# Altium PCB PCB1.PcbDoc
Units mil, origin at the board's own origin, x right, y up, seen from the top; angles counter-clockwise.
Board outline 3370 x 2125 mil, 2 copper layers (Top Layer, Bottom Layer), stack 61.756 mil thick; 90 components, 57 nets, 306 pads, 92 vias.
Unrouted connection lines stored in the file: 52.
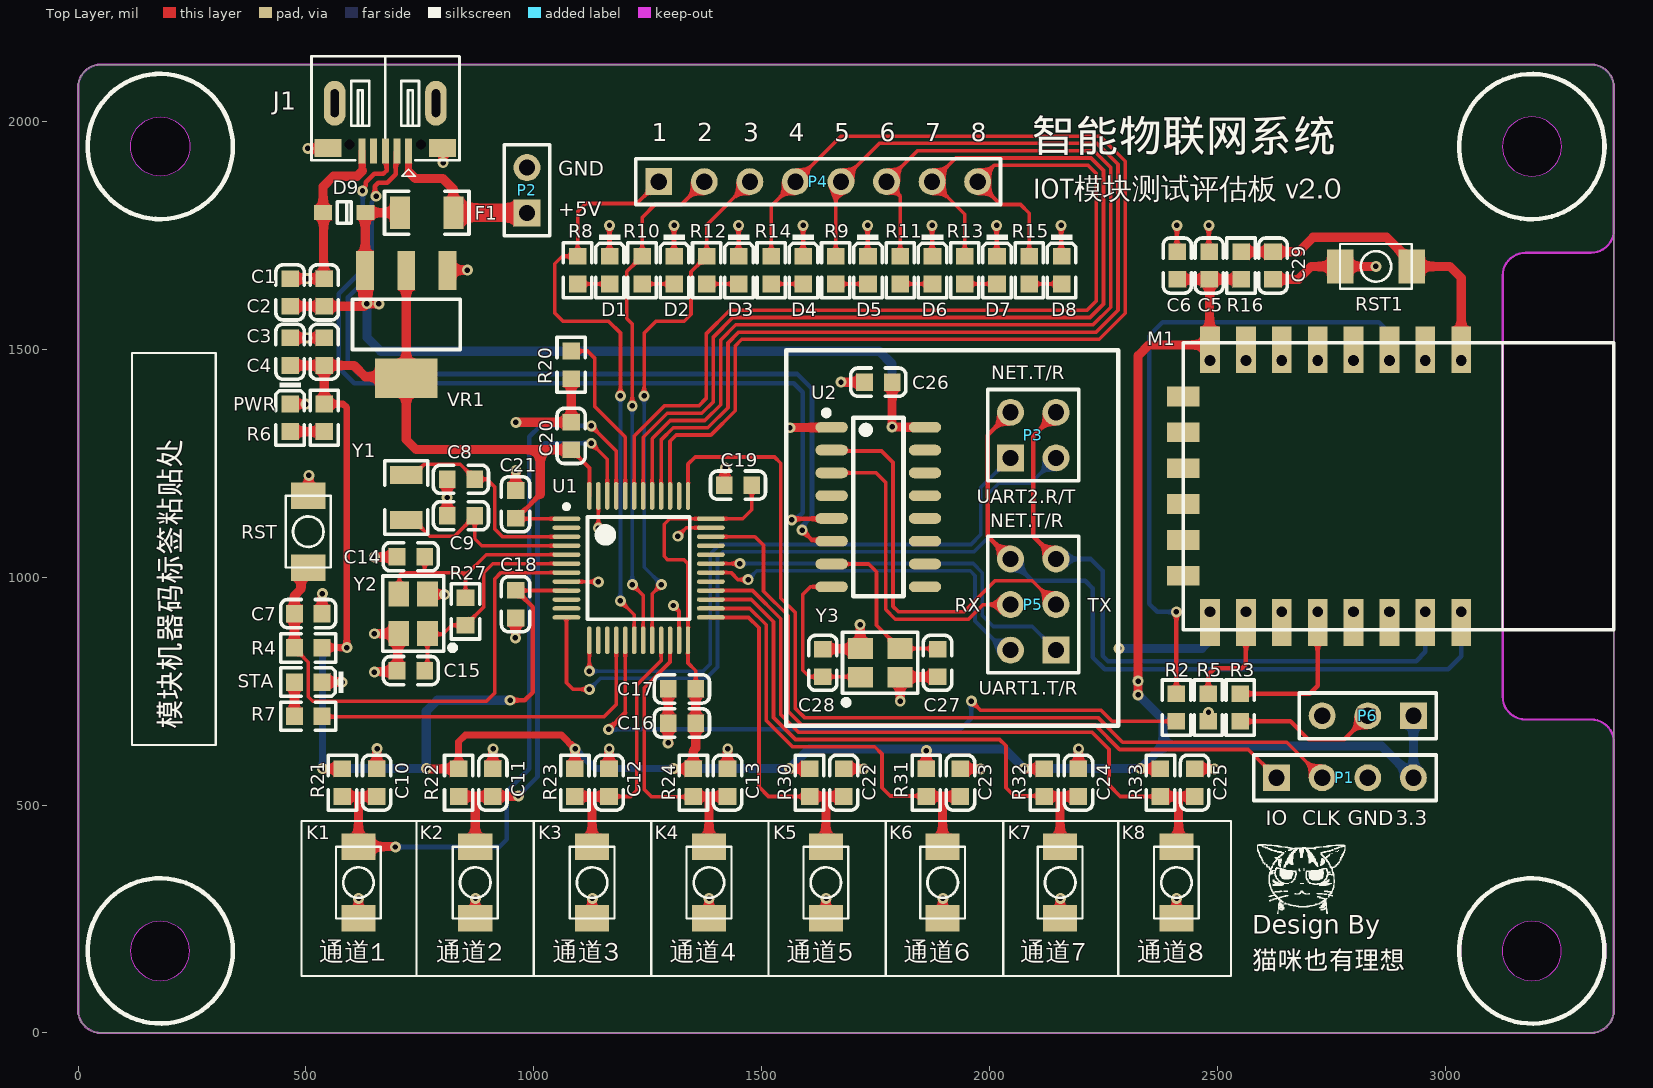
[diagram p0: Top Layer view]
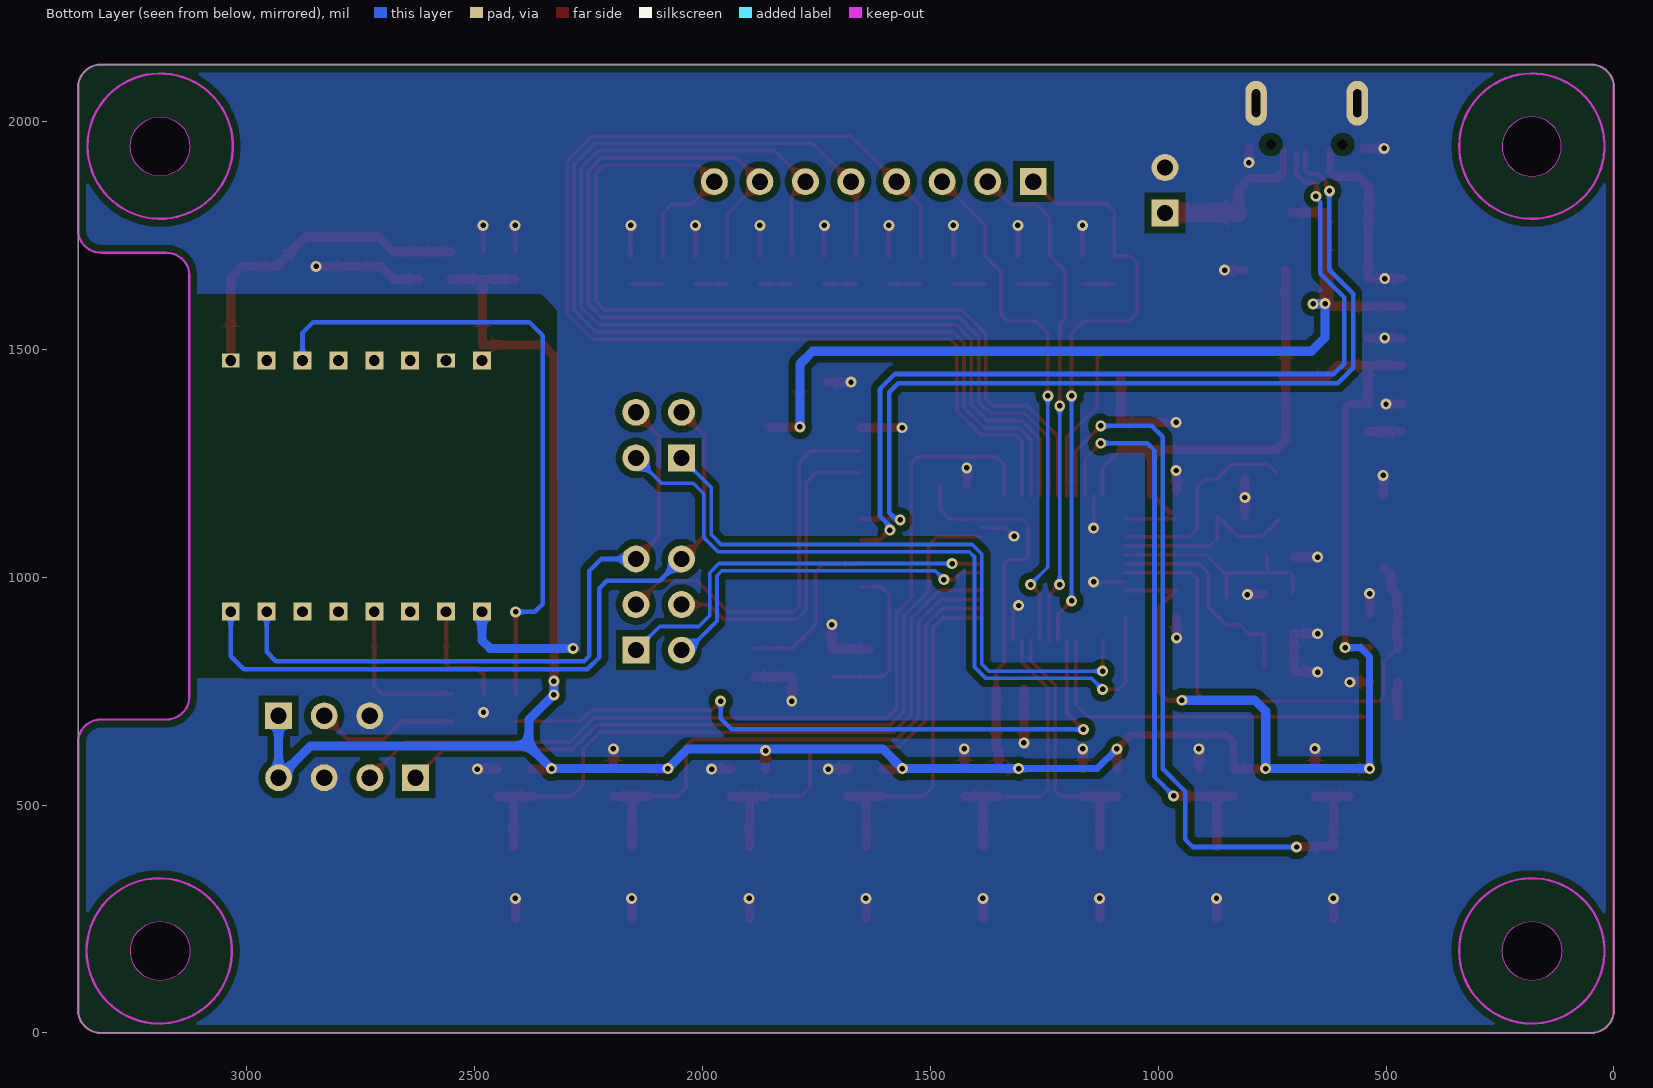
[diagram p1: Bottom Layer view, seen from below]
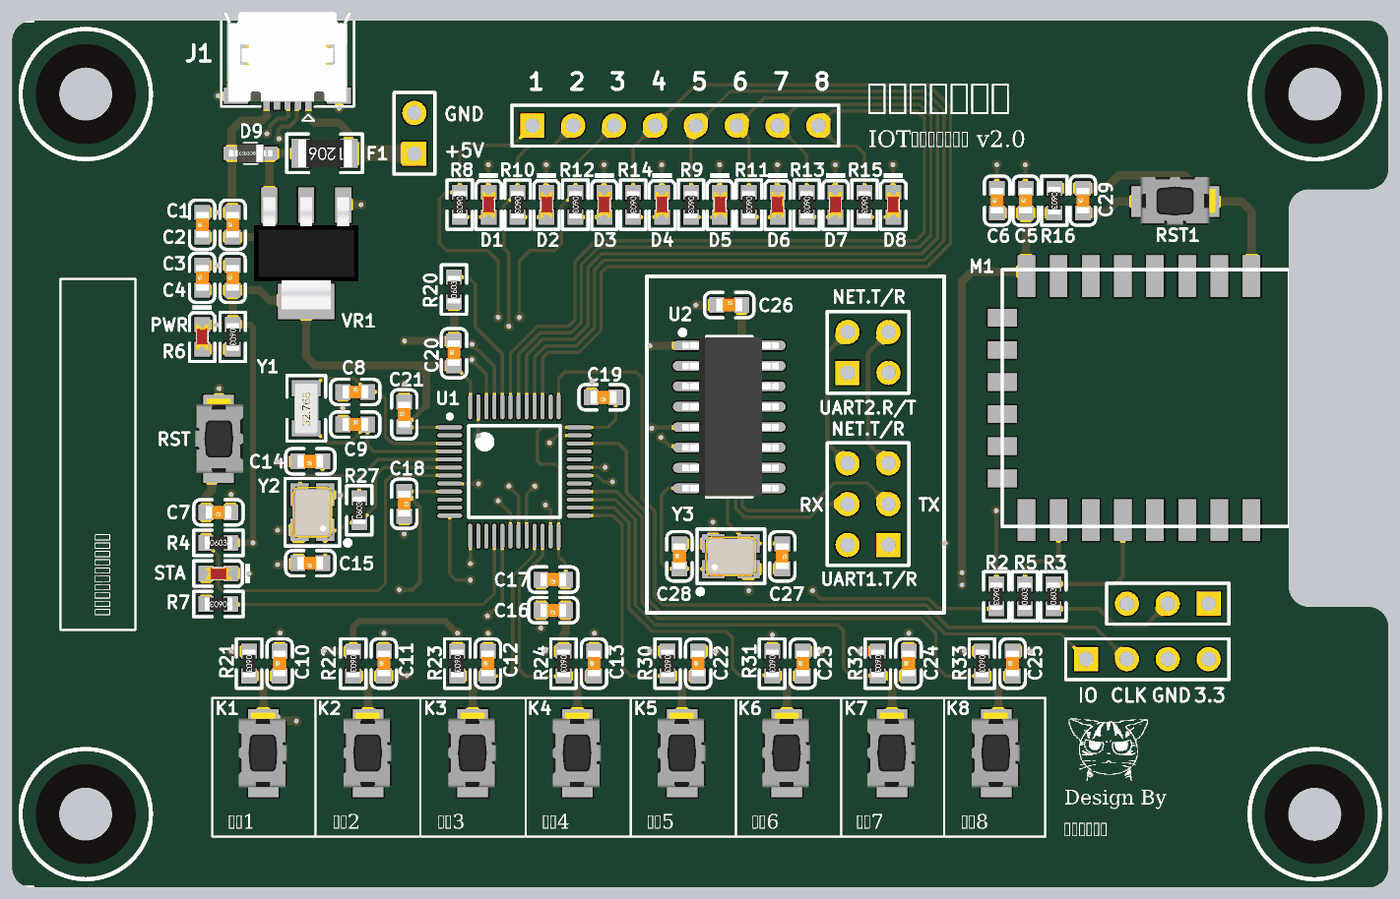
[diagram p2: 3D render of the assembled board from above, using the file's embedded part models]

## Layer stack, top to bottom
Top Solder: solder mask 1, SM-001, Dk 4
Top Layer: signal copper 1.378
Dielectric 1: core 59, Core-043, Dk 4.3
Bottom Layer: signal copper 1.378
Bottom Solder: solder mask 1, SM-001, Dk 4

## Board outline
0,50 0,2075 cw(c50,2075) 50,2125 3320,2125 cw(c3320,2075) 3370,2075 3370,50 cw(c3320,50) 3320,0 50,0 cw(c50,50)
cut-out: 3126,738 3126,1662 cw(c3176,1662) 3176,1712 3320,1712 ccw(c3320,1762) 3370,1762 3370,637.92 ccw(c3320,637.92) 3320,687.92 3320,688 3176,688 cw(c3176,738)
cut-out: 3125.08,179.8 ccw(c3190.08,179.8) 3190.08,114.8 ccw(c3190.08,179.8) 3255.08,179.8 ccw(c3190.08,179.8) 3190.08,244.8 ccw(c3190.08,179.8)
cut-out: 3125.2,1945.2 ccw(c3190.2,1945.2) 3190.2,1880.2 ccw(c3190.2,1945.2) 3255.2,1945.2 ccw(c3190.2,1945.2) 3190.2,2010.2 ccw(c3190.2,1945.2)
cut-out: 180,1880.2 cw(c180,1945.2) 115,1945.2 cw(c180,1945.2) 180,2010.2 cw(c180,1945.2) 245,1945.2 cw(c180,1945.2)
cut-out: 114.8,180 ccw(c179.8,180) 179.8,115 ccw(c179.8,180) 244.8,180 ccw(c179.8,180) 179.8,245 ccw(c179.8,180)

## Design rules (kind name [scope] priority, off if disabled: settings)
Clearance [All] p1: gap=8 ignorepadtopadclearanceinfootprint=TRUE except(15: Arc-Poly Track-Poly SMDPad-Poly THPad-Poly Via-Poly Fill-Poly Poly-Poly)
DiffPairsRouting [All] p1: maxlimit=10 minlimit=8 mostfreqgap=10 toplayer_minwidth=8 toplayer_maxwidth=15 toplayer_prefwidth=10 bottomlayer_minwidth=8 bottomlayer_maxwidth=15 bottomlayer_prefwidth=10 maxuncoupledlength=500
MinimumSolderMaskSliver [All] p1: minsoldermaskwidth=0
PlaneConnect [All] p1: planeconnectstyle=Direct reliefexpansion=20 reliefentries=4 reliefconductorwidth=10 reliefairgap=10
PolygonConnect [All] p1: thpad.connectstyle=Direct thpad.reliefconductorwidth=10 thpad.reliefentries=4 thpad.polygonreliefangle="90 Angle" thpad.airgapwidth=10 smdpad.connectstyle=Relief smdpad.reliefconductorwidth=10 smdpad.reliefentries=4 smdpad.polygonreliefangle="90 Angle" smdpad.airgapwidth=10 via.connectstyle=Direct via.reliefconductorwidth=10 via.reliefentries=4 via.polygonreliefangle="90 Angle" via.airgapwidth=10
RoutingVias [All] p1: holewidth=12 width=24 viastyle="Through Hole" minholewidth=12 minwidth=24 maxholewidth=12 maxwidth=24
SilkToSilkClearance [All] p1: silktosilkclearance=0
SilkToSolderMaskClearance [IsPad] p1: minsilkscreentomaskgap=0 clearancetoexposedcopper=TRUE
SolderMaskExpansion [All] p1: expansion=4 istentingtop=FALSE
Width [All] p1: maxlimit=50 minlimit=8 preferedwidth=10
25 further rules are at their usual default settings.

## Classes and differential pairs
differential pair USB: +USB.UD+ -USB.UD-

## Components (designator, comment, footprint, x,y, rotation, side; value= is the part's Value field where it differs from the comment)
C1 "106" LC-0603_C 465,1625 r90 top
C2 "104" LC-0603_C 540,1625 r90 top
C3 "106" LC-0603_C 465,1495 r90 top
C4 "104" LC-0603_C 540,1495 r90 top
C5 "106" LC-0603_C 2482,1684 r90 top
C6 "104" LC-0603_C 2412,1684 r90 top
C7 "104" LC-0603_C 505,920 r180 top
C8 "22pF" LC-0603_C 840,1215 r0 top
C9 "22pF" LC-0603_C 840,1135 r0 top
C10 "102" LC-0603_C 655,549.25 r90 top
C11 "102" LC-0603_C 910,549.25 r90 top
C12 "102" LC-0603_C 1165,549.25 r90 top
C13 "102" LC-0603_C 1425,549.25 r90 top
C14 "22pF" LC-0603_C 730,1045 r180 top
C15 "22pF" LC-0603_C 730,795 r180 top
C16 "106" LC-0603_C 1325,680 r180 top
C17 "104" LC-0603_C 1325,755 r180 top
C18 "104" LC-0603_C 960,941 r270 top
C19 "104" LC-0603_C 1448,1202 r180 top
C20 "104" LC-0603_C 1082,1310 r90 top
C21 "104" LC-0603_C 960,1160 r90 top
C22 "102" LC-0603_C 1680,549.25 r90 top
C23 "102" LC-0603_C 1936.1,549.25 r90 top
C24 "102" LC-0603_C 2195,549.25 r90 top
C25 "102" LC-0603_C 2450,549.25 r90 top
C26 "104" LC-0603_C 1756,1428 r0 top
C27 "22pF" LC-0603_C 1886,812 r270 top
C28 "22pF" LC-0603_C 1634,812 r90 top
C29 "104" LC-0603_C 2622,1684 r90 top
D1 "LED-SMD" LC-0603_LED_S1 1166.8,1674 r270 top
D2 "LED-SMD" LC-0603_LED_S1 1308.4,1674 r270 top
D3 "LED-SMD" LC-0603_LED_S1 1450,1674 r270 top
D4 "LED-SMD" LC-0603_LED_S1 1591.6,1674 r270 top
D5 "LED-SMD" LC-0603_LED_S1 1733.2,1674 r270 top
D6 "LED-SMD" LC-0603_LED_S1 1874.8,1674 r270 top
D7 "LED-SMD" LC-0603_LED_S1 2016.4,1674 r270 top
D8 "LED-SMD" LC-0603_LED_S1 2158,1674 r270 top
D9 "二极管" LC-SOD-323 584,1800 r180 top
F1 "自恢复保险丝1.1A 6V" LC-1206_R 765,1800 r180 top
J1 "Micro_USB" USB-MICRO_B 674,2040 r180 top locked
K1 "KEY" SWT3*4 615,330 r270 top
K2 "KEY" SWT3*4 871.43,330 r270 top
K3 "KEY" SWT3*4 1127.86,330 r270 top
K4 "KEY" SWT3*4 1384.29,330 r270 top
K5 "KEY" SWT3*4 1640.71,330 r270 top
K6 "KEY" SWT3*4 1897.14,330 r270 top
K7 "KEY" SWT3*4 2155,330 r270 top
K8 "KEY" SWT3*4 2410,330 r270 top
M1 "ESP-12E&F Module" "ESP-12E&F Module" 2730,1200 r270 top
P1 "Header 4" HDR1X4 2630,560 r0 top
P2 "Header 2" HDR1X2 985,1799 r90 top
P3 "Header 2X2" HDR2X2 2046,1262 r0 top
P4 "Header 8" HDR1X8 1274,1868 r0 top
P5 "Header 3X2" HDR2X3 2146,840 r90 top
P6 "Header 3" HDR1X3 2930,696 r180 top
PWR "LED-SMD" LC-0603_LED_S1 465,1350 r270 top
R2 "10K" LC-0603_R 2410,714 r270 top
R3 "10K" LC-0603_R 2550,714 r90 top
R4 "10K" LC-0603_R 505,845 r0 top
R5 "10K" LC-0603_R 2480,714 r90 top
R6 "10K" LC-0603_R 540,1350 r270 top
R7 "10K" LC-0603_R 505,695 r180 top
R8 "10K" LC-0603_R 1096,1674 r270 top
R9 "10K" LC-0603_R 1662.4,1674 r270 top
R10 "10K" LC-0603_R 1237.6,1674 r270 top
R11 "10K" LC-0603_R 1804,1674 r270 top
R12 "10K" LC-0603_R 1379.2,1674 r270 top
R13 "10K" LC-0603_R 1945.6,1674 r270 top
R14 "10K" LC-0603_R 1520.8,1674 r270 top
R15 "10K" LC-0603_R 2087.2,1674 r270 top
R16 "10K" LC-0603_R 2552,1684 r270 top
R20 "10K" LC-0603_R 1082,1466 r90 top
R21 "10K" LC-0603_R 580,549.25 r270 top
R22 "10K" LC-0603_R 835,549.25 r270 top
R23 "10K" LC-0603_R 1090,549.25 r270 top
R24 "10K" LC-0603_R 1350,549.25 r270 top
R27 "1M" LC-0603_R 850,925 r90 top
R30 "10K" LC-0603_R 1605,549.25 r270 top
R31 "10K" LC-0603_R 1861.1,549.25 r270 top
R32 "10K" LC-0603_R 2120,549.25 r270 top
R33 "10K" LC-0603_R 2375,549.25 r270 top
RST "KEY" SWT3*4 505,1100 r90 top
RST1 "KEY" SWT3*4 2848,1682 r180 top
STA "LED-SMD" LC-0603_LED_S1 505,770 r180 top
U1 "STM32F103C8T6" STM-LQFP48_L 1230,1020 r0 top locked
U2 "CH340G" SOIC-16_150mil 1756,1154 r270 top locked
VR1 "AMS1117-3.3" LC-SOT-223 720,1555 r90 top
Y1 "32.768KHz" "LC-SMD-3215_2P FC - 135" 720,1175 r90 top
Y2 "8Mhz" LC-SMD-3225_4P 735,920 r90 top
Y3 "12Mhz" LC-SMD-3225_4P 1760,812 r0 top

## Footprints (in the part's own frame and the unit in brackets; to place one, negate y for a bottom-side part, rotate by r counter-clockwise, add the part's x,y. Pads: shape width x height; smd on the part's side, far side on the other; paste and mask are expansions set on the pad)
"ESP-12E&F Module" [mm]
  rect 2.6x1.1 smd: 1(-7.6,7.75) 2(-7.6,5.75) 3(-7.6,3.75) 4(-7.6,1.75) 5(-7.6,-0.25) 6(-7.6,-2.25) 7(-7.6,-4.25) 8(-7.6,-6.25) 15(7.6,-6.25) 16(7.6,-4.25) 17(7.6,-2.25) 18(7.6,-0.25) 19(7.6,1.75) 20(7.6,3.75) 21(7.6,5.75) 22(7.6,7.75)
  rect 0.762x1 hole 0.6: 1(-7,7.75) 7(-7,-4.25)
  rect 0.762x1 / inner rect 0.762x1 / far side rect 1x1 hole 0.6: 2(-7,5.75) 3(-7,3.75) 4(-7,1.75) 5(-7,-0.25) 6(-7,-2.25) 8(-7,-6.25) 15(7,-6.25) 16(7,-4.25) 17(7,-2.25) 18(7,-0.25) 19(7,1.75) 20(7,3.75) 21(7,5.75) 22(7,7.75)
  rect 1.1x1.8 smd: 9(-5,-7.75) 10(-3,-7.75) 11(-1,-7.75) 12(1,-7.75) 13(3,-7.75) 14(5,-7.75)
  silkscreen extent -8,-7.75 8,16.25
HDR1X2 [mm] "Connector; Header; 2 Position"
  rect 1.5x1.5 hole 0.9: 1(0,0)
  round 1.5 hole 0.9: 2(2.54,0)
  silkscreen extent -1.27,-1.27 3.81,1.27
HDR1X3 [mm] "Connector; Header; 3 Position"
  rect 1.5x1.5 hole 0.9: 1(0,0)
  round 1.5 hole 0.9: 2(2.54,0) 3(5.08,0)
  silkscreen extent -1.27,-1.27 6.35,1.27
HDR1X4 [mm] "Connector; Header; 4 Position"
  rect 1.5x1.5 hole 0.9: 1(0,0)
  round 1.5 hole 0.9: 2(2.54,0) 3(5.08,0) 4(7.62,0)
  silkscreen extent -1.27,-1.27 8.89,1.27
HDR1X8 [mm] "Connector; Header; 8 Position"
  rect 1.5x1.5 hole 0.9: 1(0,0)
  round 1.5 hole 0.9: 2(2.54,0) 3(5.08,0) 4(7.62,0) 5(10.16,0) 6(12.7,0) 7(15.24,0) 8(17.78,0)
  silkscreen extent -1.27,-1.27 19.05,1.27
HDR2X2 [mm] "Connector; Header; 2x2 Position"
  rect 1.5x1.5 hole 0.9: 1(0,0)
  round 1.5 hole 0.9: 2(0,2.54) 3(2.54,0) 4(2.54,2.54)
  silkscreen extent -1.27,-1.27 3.81,3.81
HDR2X3 [mm] "Connector; Header; 3x2 Position"
  rect 1.5x1.5 hole 0.9: 1(0,0)
  round 1.5 hole 0.9: 2(0,2.54) 3(2.54,0) 4(2.54,2.54) 5(5.08,0) 6(5.08,2.54)
  silkscreen extent -1.27,-1.27 6.35,3.81
LC-0603_C [mm]
  rect 0.93x0.98 smd: 1(-0.77,0) 2(0.77,0)
  silkscreen extent -1.53,-0.79 1.54,0.79, body extent -0.8,-0.4 0.8,0.4, height 0.3
LC-0603_LED_S1 [mm]
  rect 0.93x0.98 smd: 1(0.77,0) 2(-0.77,0)
  silkscreen extent -1.98,-0.79 1.54,0.79, body extent -0.8,-0.4 0.8,0.4, height 0.6
LC-0603_R [mm]
  rect 0.93x0.98 smd: 1(-0.77,0) 2(0.77,0)
  silkscreen extent -1.53,-0.79 1.54,0.79, body extent -0.85,-0.4 0.85,0.4, height 0.56
LC-1206_R [mm]
  rect 1.13x1.8 smd: 1(-1.49,0) 2(1.49,0)
  silkscreen extent -2.36,-1.2 2.35,1.2, body extent -1.7,-0.86 1.65,0.87, height 0.85
"LC-SMD-3215_2P FC - 135" [mm]
  rect 1x1.8 smd: 1(-1.25,0) 2(1.25,0)
  silkscreen extent -2.05,-1.2 2.05,1.2, body extent -1.6,-0.75 1.6,0.75, height 0.81
LC-SMD-3225_4P [mm]
  rect 1.4x1.15 smd: 1(-1.1,-0.8) 2(1.1,-0.8) 3(1.1,0.8) 4(-1.1,0.8)
  silkscreen extent -2.1,-2.35 2.1,1.7, body extent -1.6,-1.25 1.6,1.25, height 0.61
LC-SOD-323 [mm]
  rect 1x0.83 smd: 1(1.18,0) 2(-1.18,0)
  silkscreen extent -0.4,-0.6 0.4,0.6, body extent -1.35,-0.62 1.35,0.63, height 1.1
LC-SOT-223 [mm]
  rect 2.2x1 smd: 1(3,-2.3) 2(3,0) 3(3,2.3)
  rect 2.2x3.5 smd: 2(-3,0)
  silkscreen extent -1.4,-3 1.4,3, body extent -3.49,-3.24 3.49,3.24, height 1.64
SOIC-16_150mil [mm]
  oval 0.6x1.8 smd: 1(-4.445,-2.6) 2(-3.175,-2.6) 3(-1.905,-2.6) 4(-0.635,-2.6) 5(0.635,-2.6) 6(1.905,-2.6) 7(3.175,-2.6) 8(4.445,-2.6) 9(4.445,2.6) 10(3.175,2.6) 11(1.905,2.6) 12(0.635,2.6) 13(-0.635,2.6) 14(-1.905,2.6) 15(-3.175,2.6) 16(-4.445,2.6)
  silkscreen extent -5.4,-3.05 4.97,1.4, body extent -4.95,-2.92 4.95,3.08, height 1.4
STM-LQFP48_L [mm] "QFP, 48-Leads, Body 7x7mm, Pitch 0.5mm, IPC High Density"
  oval 1.55x0.25 smd: 1(-4.025,2.75) 2(-4.025,2.25) 3(-4.025,1.75) 4(-4.025,1.25) 5(-4.025,0.75) 6(-4.025,0.25) 7(-4.025,-0.25) 8(-4.025,-0.75) 9(-4.025,-1.25) 10(-4.025,-1.75) 11(-4.025,-2.25) 12(-4.025,-2.75) 25(4.025,-2.75) 26(4.025,-2.25) 27(4.025,-1.75) 28(4.025,-1.25) 29(4.025,-0.75) 30(4.025,-0.25) 31(4.025,0.25) 32(4.025,0.75) 33(4.025,1.25) 34(4.025,1.75) 35(4.025,2.25) 36(4.025,2.75)
  oval 0.25x1.55 smd: 13(-2.75,-4.025) 14(-2.25,-4.025) 15(-1.75,-4.025) 16(-1.25,-4.025) 17(-0.75,-4.025) 18(-0.25,-4.025) 19(0.25,-4.025) 20(0.75,-4.025) 21(1.25,-4.025) 22(1.75,-4.025) 23(2.25,-4.025) 24(2.75,-4.025) 37(2.75,4.025) 38(2.25,4.025) 39(1.75,4.025) 40(1.25,4.025) 41(0.75,4.025) 42(0.25,4.025) 43(-0.25,4.025) 44(-0.75,4.025) 45(-1.25,4.025) 46(-1.75,4.025) 47(-2.25,4.025) 48(-2.75,4.025)
  silkscreen extent -4.15,-2.85 2.85,3.55, body extent -3.5,-3.5 3.5,3.5, height 1.6
SWT3*4 [mm]
  rect 1.48x1.9 smd: 1(-2,0) 2(2,0)
  silkscreen extent -2,-1.25 2,1.25, body extent -2.5,-1.53 2.5,1.47, height 2.1
USB-MICRO_B [mm] "micro型USB ，5.9*8.2*2.5mm"
  round 0 hole 0.55 unplated: 0(-2,2.294) 0(2,2.294)
  rect 0.394x1.4 smd: 1(-1.295,2.667) 2(-0.648,2.667) 3(0,2.667) 4(0.648,2.667) 5(1.295,2.667)
  rect 1.5x1 smd: 5(-3.2,2.5) 5(3.2,2.5)
  oval 1.2x2.5 hole 0.45 slot 1.55 at 90 deg: M1(-2.825,-0.006) M2(2.825,-0.006)
  silkscreen extent -4.14,-2.63 4.11,4.06, body extent -4,-2.72 4,2.88, height 2.8

## Part data
C1 C2 C3 C4 C5 C6 C7 C8 C9 C10 C11 C12 C13 C14 C15 C16 C17 C18 C19 C20 C21 C22 C23 C24 C25 C26 C27 C28 C29: library part C, "无极性贴片电容", BOM名称=无极性贴片电容, 学习资源=www.ooocke.com, 版权归属=源创客
D1 D2 D3 D4 D5 D6 D7 D8 PWR STA: "贴片LED", BOM名称=贴片LED, 学习资源=www.ooocke.com, 版权归属=源创客
D9: "普通二极管"
F1: library part F, "1206 贴片自恢复保险丝/保险管 PPTC MF-NSMF110-2 1.1A 6V"
J1: "Micro_usb", HelpURL=https://item.taobao.com/item.htm?spm=a230r.1.14.48.76bf5237G2R5N&id=522578920966&ns=1&abbucket=3#detail
K1 K2 K3 K4 K5 K6 K7 K8 RST RST1: "按键", BOM名称=3x6轻触开关, 学习资源=www.ooocke.com, 版权归属=源创客
P1: "Header, 4-Pin", LatestRevisionDate=17-Jul-2002, LatestRevisionNote="Re-released for DXP Platform.", Publisher="Altium Limited"
P2: "Header, 2-Pin", LatestRevisionDate=17-Jul-2002, LatestRevisionNote="Re-released for DXP Platform.", Publisher="Altium Limited"
P3: "Header, 2-Pin, Dual row", LatestRevisionDate=17-Jul-2002, LatestRevisionNote="Re-released for DXP Platform.", Publisher="Altium Limited"
P4: "Header, 8-Pin", LatestRevisionDate=17-Jul-2002, LatestRevisionNote="Re-released for DXP Platform.", Publisher="Altium Limited"
P5: "Header, 3-Pin, Dual row", LatestRevisionDate=17-Jul-2002, LatestRevisionNote="Re-released for DXP Platform.", Publisher="Altium Limited"
P6: "Header, 3-Pin", LatestRevisionDate=17-Jul-2002, LatestRevisionNote="Re-released for DXP Platform.", Publisher="Altium Limited"
R2 R3 R4 R5 R6 R7 R8 R9 R10 R11 R12 R13 R14 R15 R16 R20 R21 R22 R23 R24 R27 R30 R31 R32 R33: library part R, "电阻", Package=0603, SuppliersPartNumber=C23345, ComponentLink1Description=供应商链接, ComponentLink1URL=http://www.szlcsc.com/product/details_24078.html, Supplier=LC
U1: "ARM Cortex-M3 32-bit MCU, 64 KB Flash, 20 KB Internal RAM, 37 I/Os, 48-pin LQFP, -40 to 85 degC, Tray", I/Os (High Current)=37, Operating Frequency(F) (Processor speed) (MHz)=72, Supplier Part Number 1=497-6063-ND, Supply Voltage(Vcc) min (V)=2, A/D Converter="2x12-bit (10 Channel)", ComponentLink1Description="Manufacturer URL", ComponentLink1URL=http://www.st.com/web/en/home.html, ComponentLink2Description=Datasheet, ComponentLink2URL=http://www.st.com/st-web-ui/static/active/en/resource/technical/document/datasheet/CD00161566.pdf, ComponentLink3Description="Package Specification", ComponentLink3URL=http://www.st.com/st-web-ui/static/active/en/resource/technical/document/datasheet/DM00058181.pdf, Core="ARM Cortex-M3", DatasheetVersion="Rev. 16", FLASH Size (Prog) (kB)=64, Internal RAM Size (kB)=20, Mounting Technology="Surface Mount", PackageDescription="48-Pin Low Profile Quad Flat Package, 7 x 7 mm Body, 0.5 mm Pitch", PackageReference=LQFP48, PackageVersion="Rev. 6, 06/2013", Packing=Tray, PartNumber=STM32F103C8T6, Supplier 1=Digi-Key, Supplier 2=Farnell, Supplier 3=Newark, Supplier 4=Newark, Supplier 5=Mouser, Supplier Part Number 2=1447637, Supplier Part Number 3=59M2182, Supplier Part Number 4=57P1222, Supplier Part Number 5=511-STM32F103C8T6
U2: "USB", Package=SOIC-16_150mil, SuppliersPartNumber=C14267, ComponentLink1Description=供应商链接, ComponentLink1URL=http://www.szlcsc.com/product/details_14927.html, Supplier=LC
VR1: library part "SOT-223 AMS1117-3.3", "低压差线性稳压(LDO)", Package=SOT-223, SuppliersPartNumber=C6186, ComponentLink1Description=供应商链接, ComponentLink1URL=http://www.szlcsc.com/product/details_6652.html, Supplier=LC
Y1: library part XTAL, "普通晶振", LatestRevisionDate=17-Jul-2002, LatestRevisionNote="Re-released for DXP Platform.", Published=8-Jun-2000, Publisher="Altium Limited"
Y2 Y3: library part XTAL_3225, "3225贴片无源晶振"

## Via types
v1: diameter 24, hole 12, Top Layer to Bottom Layer, tented both sides, 92 vias

## Nets (pads, with @x,y where several pads share a name; then routed paths per layer and width w, separated by ;. In a path a pad name is that pad's centre, name@x,y a point inside that pad or via, vN(x,y) a via of type N, cw(c..) or ccw(c..) an arc to the next point about the centre after c; other vN are vias at no path point)
4G/ESP-12F.EN: R2.2 U1.17 | length 1522.9
  Top Layer w8: 1200.47,702.47 U1.17 ; v1(1960,728) 1980,708 2244.63,708 2268.94,683.68 R2.2
  Top Layer w10: v1(1164,666) 1200.47,702.47
  Bottom Layer w10: v1(1164,666) 1936,666 1960,690 v1(1960,728)
4G/ESP-12F.RST: C29.2 M1.1 R16.1 RST1.1 | length 687.4
  Top Layer w20: R16.1 C29.2 2678.31,1714.31 2710,1746 2871.01,1746 RST1.1@2926.74,1690.27 ; RST1.1 3010,1682 3035.12,1656.88 M1.1@3035.12,1499.21
4G/ESP-12F.RX: M1.21 P3.4 P5.5 | length 1470
  Top Layer w10: P5.5 2096,1090 2096,1310 P3.4@2146,1360
  Bottom Layer w10: P5.5 2222,1040 2248,1014 2248,828 2260,816 2936,816 2956.38,836.38 M1.21@2956.38,924.41
4G/ESP-12F.TX: M1.22 P3.2 P5.6 | length 1651.3
  Top Layer w10: P5.6 1996,1090 1996,1312 P3.2
  Bottom Layer w10: P5.6 2094,992 2210,992 2226,976 2226,824.54 2252.54,798 3006.72,798 3035.12,826.4 M1.22@3035.12,924.41
+5: F1.1 J1.1 P2.1 | length 370.9
  Top Layer w15: 725,1890 J1.1
  Top Layer w20: 726,1889 740,1875 800,1875 823.66,1851.34 F1.1
  Top Layer w40: F1.1 P2.1@985,1800
CH1: C10.1 K1.1 R21.2 U1.45 | length 1740.5
  Top Layer w8: v1(1126,1332) 1180.79,1277.21 U1.45
  Top Layer w20: R21.2 C10.1 ; 615,516.44 K1.1 v1@695.26,408.74
  Bottom Layer w10: v1(696,408) 924,408 941,425 941,530.36 990,579.36 990,1308 1014,1332 v1(1126,1332)
CH2: C11.1 K2.1 R22.2 U1.46 | length 1268.5
  Top Layer w8: v1(1126,1294) 1161.1,1258.9 U1.46
  Top Layer w20: R22.2 C11.1 ; K2.1 871.43,516.44 ; C11.1@910.53,519.47 965.47,519.47 v1(966,520)
  Bottom Layer w10: v1(966,520) 1008,562 1008,1278 1024,1294 v1(1126,1294)
CH3: C12.1 K3.1 R23.2 U1.21 | length 600.7
  Top Layer w8: C12.1 1212.94,518.94 1226,532 1226,763.51 1279.21,816.72 U1.21
  Top Layer w20: R23.2 1127.86,518.94 C12.1 ; K3.1 1127.86,516.44
CH4: C13.1 K4.1 R24.2 U1.22 | length 647.5
  Top Layer w8: U1.22 1298.9,813.78 1242,756.88 1242,534 1258,518 R24.2@1349.06,518
  Top Layer w20: R24.2 1384.29,518.94 C13.1 ; K4.1 1384.29,516.44
CH5: C22.1 K5.1 R30.2 U1.25 | length 766.3
  Top Layer w8: U1.25 1471.13,911.73 1494,888.86 1494,540 1515.06,518.94 R30.2
  Top Layer w20: R30.2 1640.71,518.94 C22.1 ; K5.1 1640.71,516.44
CH6: C23.1 K6.1 R31.2 U1.26 | length 991
  Top Layer w8: U1.26 1474.07,931.42 1510,895.49 1510,742 1510,685.49 1567.49,628 1624,628 1748,628 1764,612 1764,538 1782,520 R31.2@1860.04,520
  Top Layer w20: R31.2 1897.14,518.94 C23.1 ; K6.1 1897.14,516.44
CH7: C24.1 K7.1 R32.2 U1.27 | length 1268.6
  Top Layer w8: U1.27 1477.02,951.1 1526,902.12 1526,748.63 1526,692.12 1574.12,644 1630.63,644 2022,644 2036,630 2036,538 2054,520 R32.2@2118.94,520
  Top Layer w20: R32.2 2155,518.94 C24.1 ; K7.1 2155,516.44
CH8: C25.1 K8.1 R33.2 U1.28 | length 1525.5
  Top Layer w8: U1.28 1479.96,970.79 1542,908.75 1542,755.25 1542,698.75 1580.75,660 1637.25,660 2224.75,660 2262,622.75 2262,544 2287.06,518.94 R33.2
  Top Layer w20: R33.2 2415,518.94 C25.1 ; K8.1@2415,408.74 2415,516.44
CH340G.RX: P5.4 U2.3 | length 701.8
  Top Layer w8: U2.3 1751,1229 1772,1208 1772,929.37 1793.37,908 1954,908 1986,940 P5.4
CH340G.TX: P5.3 U2.2 | length 871.4
  Top Layer w8: U2.2@1655.6,1277.03 1762.97,1277.03 1788,1252 1788,936 1800,924 1944,924 2012,992 2094,992 P5.3
GND: C1.2 C2.2 C3.2 C4.2 C5.2 C6.2 C7.1 C8.1 C9.1 C10.2 C11.2 C12.2 C13.2 C14.2 C15.2 C16.2 C17.2 C18.2 C19.2 C20.2 C21.2 C22.2 C23.2 C24.2 C25.2 C26.1 C27.2 C28.2 C29.1 D1.2 D2.2 D3.2 D4.2 D5.2 D6.2 D7.2 D8.2 D9.1 J1.5 J1.M1 J1.M2 K1.2 K2.2 K3.2 K4.2 K5.2 K6.2 K7.2 K8.2 M1.15 P1.3 P2.2 P6.3 PWR.2 R5.1 R20.1 RST1.2 RST.2 STA.2 U1.8 U1.23 U1.35 U1.47 U2.1 VR1.1 Y2.2 Y2.4 Y3.2 Y3.4 | length 4140.6
  Top Layer w8: U1.8@1071.77,990.24 v1@1141.71,990.24 ; v1@1141.56,1108 U1.47@1141.56,1178.32 ; v1(1306,938) 1318.58,925.42 U1.23 ; v1(1316,1090) 1334.58,1108.58 U1.35
  Top Layer w10: D1.2@1166,1705.11 v1(1166,1772) ; D2.2@1307.6,1705.11 v1(1307.6,1772) ; D3.2@1449.2,1705.11 v1(1449.2,1772) ; D4.2@1590.8,1705.11 v1(1590.8,1772) ; D5.2@1732.4,1705.11 v1(1732.4,1772) ; D6.2@1874,1705.11 v1(1874,1772) ; D7.2@2015.6,1705.11 v1(2015.6,1772) ; D8.2@2157.2,1705.11 v1(2157.2,1772) ; C6.2@2411.2,1715.11 v1(2411.2,1772) ; C5.2@2481.2,1715.11 v1(2481.2,1772)
  Top Layer w15: 623,1893 J1.5@623,1935
  Top Layer w20: C3.2 C4.2 ; C1.2 C2.2 ; PWR.2@465.16,1380.16 499.84,1380.16 v1(500,1380) ; v1@504.57,1940.56 J1.5@548,1940.56 ; RST.2@506,1179.74 v1@506,1223.17 ; STA.2 v1@578.75,770 ; C7.1 v1@535.31,963.43 ; D9.1 537.54,1857.54 560,1880 612,1880 624,1892 ; C2.2@538.77,1656.54 D9.1@538.77,1798.77 ; K1.2 v1@615,294.69 ; v1@650.35,876.35 Y2.4@703.16,876.35 ; v1@650.5,1044.5 C14.2@699.19,1044.5 ; v1@650.77,792.77 C15.2@697.45,792.77 ; C10.2@655.5,580.07 655.5,623.5 v1(656,624) ; C15.2@701.59,796.91 Y2.4@701.59,874.78 ; Y2.2@767.15,962.65 v1@803.35,962.65 ; v1(800.98,1910) J1.5@800.98,1941.57 ; C9.1 C8.1 ; VR1.1@811.44,1674 v1(854,1674) ; K2.2 v1@871.43,294.69 ; C11.2 v1@910,623 ; v1@960,867.25 C18.2 ; C21.2 v1@960,1233.75 ; v1@960.66,1340.16 C20.2@1081.84,1340.16 ; C20.2 R20.1 ; K3.2 v1@1127.86,294.69 ; C12.2 v1@1165,623 ; C17.2 C16.2 v1(1294.69,636.4) v1@1296,635.08 ; K4.2 v1@1384.29,294.69 ; C19.2@1419.23,1203.55 v1@1419.23,1239.23 ; C13.2 v1@1425,623 ; v1@1425.25,623.75 v1(1425.5,623.5) ; v1@1562.5,1328.5 U2.1@1653.14,1328.5 ; C28.2@1634.59,842.91 Y3.4@1716.1,842.91 ; K5.2 v1@1640.71,294.69 ; v1(1674,1428) C26.1 ; C22.2 v1@1723.43,579.57 ; Y3.4@1716.35,843.84 v1@1716.35,895.65 ; v1@1803.65,728.35 Y3.2@1803.65,780.16 ; Y3.2@1803.9,781.09 C27.2@1885.41,781.09 ; K6.2 v1@1897.14,294.69 ; C23.2 v1@1979.54,579.57 ; K7.2 v1@2155,294.69 ; C24.2 v1@2195,623 ; K8.2 v1@2410,294.69 ; C25.2 v1@2493.43,579.57 ; C29.1 2677.68,1653.68 2706,1682 RST1.2 v1(2848,1682)
  Bottom Layer w20: v1(2284,844) 2466,844 2483.94,861.94 M1.15@2483.94,924.41
  other v1: 615.5,295.19 871.93,295.19 1128.36,295.19 1384.79,295.19 1641.21,295.19 1897.64,295.19 2155.5,295.19 2410.5,295.19 1723.93,579.07 1980.04,579.07 2493.93,579.07 910.5,623.5 1165.5,623.5 2195.5,623.5 2480.5,703.5 1804,728 579.25,769.5 650,792 959.5,866.75 650,876 1716,896 804,962 535.81,963.93 1141.71,990 650,1044 1141.71,1108 809.69,1175 506.5,1223.67 960.5,1234.25 1420,1240 1562,1328 960.5,1340 502.71,1525.31 502.71,1655.31 504.07,1941.06
IO1: P4.1 R8.1 U1.18 | length 1317
  Top Layer w8: v1(1190,948) 1220.16,917.84 U1.18 ; v1(1190,1398) 1190,1536 1164,1562 1064,1562 1046,1580 1046,1688 1062.31,1704.31 R8.1 1096,1802 1114,1820 1226,1820 P4.1
  Bottom Layer w8: v1(1190,948) v1(1190,1398)
IO2: P4.2 R10.1 U1.19 | length 1125.6
  Top Layer w8: v1@1216,984 1239.84,960.16 U1.19 ; v1@1216.09,1376.09 1216.09,1555.91 1204,1568 1204,1670.71 R10.1 1237.6,1789.6 1266,1818 1324,1818 P4.2
  Bottom Layer w8: v1@1216,984 v1@1216,1376
  other v1: 1216.09,984 1216,1376.09
IO3: P4.3 R12.1 U1.20 | length 1163.1
  Top Layer w8: v1(1242,1398) 1242,1536 1268,1562 1330,1562 1345,1577 1345,1670.11 R12.1 1379.2,1773.2 P4.3 ; U1.20 1259.53,963.53 v1(1280,984)
  Bottom Layer w8: v1(1242,1398) 1242,1022 v1(1280,984)
IO4: P4.4 R14.1 U1.39 | length 2625.9
  Top Layer w8: U1.39 1298.9,1298.39 1312.51,1312 1388.51,1312 1442,1365.49 1442,1507.49 1456.51,1522 2240.51,1522 2298,1579.49 2298,1912.63 2242.63,1968 1674,1968 P4.4 1520.8,1814.8 R14.1
IO5: P4.5 R9.1 U1.40 | length 2450.6
  Top Layer w8: U1.40 1279.21,1301.33 1305.88,1328 1381.88,1328 1426,1372.12 1426,1514.12 1449.88,1538 2233.88,1538 2282,1586.12 2282,1906 2236,1952 1758,1952 P4.5 ; R9.1 P4.5@1662.4,1846.4
IO6: P4.6 R11.1 U1.41 | length 2351
  Top Layer w8: U1.41 1259.53,1304.27 1299.25,1344 1375.25,1344 1410,1378.75 1410,1520.75 1443.25,1554 2227.25,1554 2266,1592.75 2266,1899.37 2229.37,1936 1842,1936 P4.6 ; P4.6@1774,1866 1804,1836 R11.1
IO7: P4.7 R13.1 U1.42 | length 2238.6
  Top Layer w8: U1.42 1239.84,1307.22 1292.63,1360 1368.63,1360 1394,1385.37 1394,1527.37 1436.63,1570 2220.63,1570 2250,1599.37 2250,1892.75 2222.75,1920 1926,1920 P4.7 1945.6,1796.4 R13.1
IO8: P4.8 R15.1 U1.43 | length 2150
  Top Layer w8: U1.43 1220.16,1310.16 1286,1376 1362,1376 1378,1392 1378,1534 1430,1586 2214,1586 2234,1606 2234,1886.12 2216.12,1904 2010,1904 P4.8 2024,1818 2068,1818 2087.2,1798.8 R15.1
NetC8_2: C8.2 U1.3 Y1.2 | length 458.5
  Top Layer w8: Y1.2@740,1228.46 759.54,1248 838.3,1248 C8.2@869.96,1216.34 ; C8.2 897,1215 914,1198 914,1106 931.1,1088.9 U1.3
NetC9_2: C9.2 U1.4 Y1.1 | length 424.5
  Top Layer w8: Y1.1@735.75,1125.79 771.54,1090 826,1090 C9.2@870.17,1134.17 ; C9.2@870.31,1134.02 870.31,1084.69 885.79,1069.21 U1.4
NetC14_1: C14.1 R27.2 U1.5 Y2.3 | length 513
  Top Layer w8: Y2.3@705,964.8 705,1004.14 710.86,1010 760,1010 844.14,1010 850,1004.14 ; 760.31,1010.31 C14.1 ; R27.2 850,1004.14 ; U1.5 895.39,1049.53 850,1004.14
NetC15_1: C15.1 R27.1 U1.6 Y2.1 | length 487.1
  Top Layer w8: C15.1@766.5,801.18 Y2.1 ; Y2.1@768.19,875 800,875 819.69,894.69 R27.1 890,934.69 890,1010 909.84,1029.84 U1.6
NetC27_1: C27.1 U2.7 Y3.3 | length 376.7
  Top Layer w8: U2.7 1735,1029 1752,1012 1752,894.8 Y3.3 C27.1@1884.82,843.5
NetC28_1: C28.1 U2.8 Y3.1 | length 368.1
  Top Layer w8: U2.8 1607,979 1590,962 1590,796 1604.32,781.68 Y3.1@1715.51,781.68
NetD1_1: D1.1 R8.2 | length 70.8
  Top Layer w8: R8.2 D1.1
NetD2_1: D2.1 R10.2 | length 70.8
  Top Layer w8: R10.2 D2.1
NetD3_1: D3.1 R12.2 | length 70.8
  Top Layer w8: R12.2 D3.1
NetD4_1: D4.1 R14.2 | length 70.8
  Top Layer w8: R14.2 D4.1
NetD5_1: D5.1 R9.2 | length 70.8
  Top Layer w8: R9.2 D5.1
NetD6_1: D6.1 R11.2 | length 70.8
  Top Layer w8: R11.2 D6.1
NetD7_1: D7.1 R13.2 | length 70.8
  Top Layer w8: R13.2 D7.1
NetD8_1: D8.1 R15.2 | length 70.8
  Top Layer w8: R15.2 D8.1
NetM1_3: M1.3 R2.1 | length 1445.8
  Top Layer w10: R2.1 v1(2410,924)
  Bottom Layer w10: v1(2410,924) 2368,924 2350,942 2350,1530 2380,1560 2854,1560 2877.64,1536.36 M1.3@2877.64,1475.59
NetM1_16: M1.16 R5.2 | length 225.8
  Top Layer w10: R5.2 2480,786 2494,800 2553.89,800 2562.68,808.79 M1.16@2562.68,900.79
NetM1_18: M1.18 R3.2 | length 316.2
  Top Layer w10: R3.2 2702.32,744.32 2720.16,762.16 M1.18@2720.16,900.79
NetPWR_1: PWR.1 R6.2 | length 75
  Top Layer w20: PWR.1 R6.2
NetR7_2: R7.2 STA.1 | length 75
  Top Layer w20: R7.2 STA.1
NetR20_2: R20.2 U1.44 | length 387.8
  Top Layer w8: R20.2 1117.68,1496.32 1134,1480 1134,1374 1200.47,1307.53 U1.44
RESET: C7.2 R4.1 RST.1 U1.7 | length 1141.6
  Top Layer w8: R4.1@474.69,844.02 504.99,813.71 504.99,737.69 514.69,728 896,728 914,746 914,996 928.16,1010.16 U1.7
  Top Layer w20: R4.1 C7.2 474.69,959.69 488.84,973.84 488.84,1005.1 RST.1
RUNMODE: P6.2 R3.1 | length 318
  Top Layer w10: R3.1 2660.31,683.69 2700,644 2778,644 P6.2
STATUS: R7.1 U1.16 | length 797.3
  Top Layer w8: R7.1@535.31,694 1154,694 1180.79,720.79 U1.16
SWCLK: P1.2 U1.37 | length 2056.1
  Top Layer w8: U1.37 1338.27,1248.27 1354,1264 1528,1264 1542,1250 1542,954 1574,922 1574,712 1594,692 2238,692 2292,638 2652,638 P1.2
SWDIO: P1.1 U1.34 | length 1642.6
  Top Layer w8: U1.34 1485.1,1088.9 1504,1070 1504,969.37 1558,915.37 1558,705.37 1587.37,676 2231.37,676 2285.37,622 2568,622 P1.1
USART1.RX: P5.1 U1.31 | length 891.1
  Top Layer w8: U1.31@1388.54,1029.92 v1@1451.92,1029.92
  Bottom Layer w8: v1(1452,1030) 1964,1030 1984,1010 1984,916 2008,892 2094,892 P5.1
USART1.TX: P5.2 U1.30 | length 805.1
  Top Layer w8: U1.30 1432.6,1010.16 1447.97,994.79 v1(1470,994.79)
  Bottom Layer w8: v1(1470,994.79) 1489.21,1014 1957.37,1014 1968,1003.37 1968,904 P5.2@2044,828
USART2.RX: P3.1 U1.13 | length 1387.3
  Top Layer w8: v1@1121.81,794 U1.13@1121.81,861.46
  Bottom Layer w8: v1(1122,794) 1371.37,794 1387,809.63 1387,1051 1408,1072 1959.37,1072 1981,1093.63 1981,1197 P3.1
USART2.TX: P3.3 U1.12 | length 1631.8
  Top Layer w8: U1.12 1071.54,768.46 1086,754 v1(1122,754)
  Bottom Layer w8: v1(1122,754) 1146,778 1378,778 1403,803 1403,1044.37 1414.63,1056 1966,1056 1997,1087 1997,1183 2020,1206 2090,1206 P3.3
USB.UD+: J1.3 U2.5 | length 1943.2
  Top Layer w10: v1(624,1848) 624,1851.79 631,1858.79 631,1866.47 649.9,1885.37 669.68,1885.37 676.75,1892.44 J1.3@676.75,1932.25 ; v1@1568.37,1128.37 U2.5@1653.01,1128.37
  Bottom Layer w10: v1@624.74,1847.26 624.74,1675.03 572,1622.28 572,1460 606,1426 1570,1426 1590.33,1405.67 1590.33,1141.85 1577.16,1128.68 v1@1568.68,1128.68
  other v1: 1566,1126
USB.UD-: J1.2 U2.6 | length 1941.6
  Top Layer w10: v1@651,1838.7 651,1858.19 658.18,1865.37 677.96,1865.37 696.75,1884.16 J1.2@696.75,1932.25 ; v1(1588.63,1103.37) 1610.39,1081.61 U2.6@1651.03,1081.61
  Bottom Layer w10: v1@653.67,1832.24 644.74,1823.3 644.74,1666.74 592,1614 592,1468.28 614.28,1446 1578.28,1446 1610.33,1413.95 1610.33,1133.57 1591.31,1114.54 v1@1591.31,1106.05
  other v1: 653.67,1836.02
VCC3.3: C3.1 C4.1 C5.1 C6.1 C16.1 C17.1 C18.1 C19.1 C20.1 C21.1 M1.8 P1.4 P6.1 R4.2 R6.1 R16.2 R21.1 R22.1 R23.1 R24.1 R30.1 R31.1 R32.1 R33.1 U1.1 U1.9 U1.24 U1.36 U1.48 VR1.2 | length 8348.6
  Top Layer w8: C21.1@961.42,1128.27 U1.1 ; C18.1@961.51,970.79 U1.9 ; C20.1 1122,1239.69 U1.48@1122,1178.73 ; C17.1 1355.31,794.69 1338.27,811.73 U1.24 1338.27,1029.73 1330,1038 1294,1038 1286,1046 1286,1116 1298.27,1128.27 U1.36 1458.27,1128.27 1478.31,1148.31 C19.1
  Top Layer w10: v1(948,730) 980,730 998,748 998,934.3 C18.1@961.51,970.79 ; C21.1@972,1140 1014,1182
  Top Layer w15: R4.2@535.82,845.5 v1(589.5,845.5) 589.5,1372.03 581.21,1380.31 R6.1 ; R22.1 835,639 849.5,653.5 1060.5,653.5 v1(1090.5,623.5)
  Top Layer w20: C3.1 C4.1 ; v1@536.57,579.57 R21.1 ; R6.1 C4.1 ; VR1.2@720,1436.89 720,1302 742,1280 1014,1280 ; VR1.2@720,1446.89 VR1.2@720,1673.11 ; VR1.2@726.89,1440 630,1440 605.31,1464.69 C4.1 ; v1@764,579.57 R22.1 ; 1014,1182 1014,1280 ; C20.1@1081.69,1280 1014,1280 ; R23.1@1090.25,579.82 1090.25,623.25 v1(1090.5,623.5) ; v1@1306.57,579.57 R24.1 1350,620 1355.31,625.31 C16.1 C17.1 ; v1@1561.57,579.57 R30.1 ; R31.1@1861.35,579.82 1861.35,619.25 v1(1861.6,619.5) ; v1@2076.57,579.57 R32.1 ; v1(2326,742) v1(2326,772) 2326,1486 2350,1510 M1.8@2473.15,1510 ; v1@2331.57,579.57 R33.1 ; C6.1 C5.1 R16.2 ; M1.8@2482.97,1509.31 C5.1@2482.97,1652.72
  Bottom Layer w15: v1(536.07,580.07) 536.07,826.07 555.5,845.5 v1(589.5,845.5) ; v1(1090.5,623.5) 1133.93,580.07 v1(1306.07,580.07)
  Bottom Layer w20: v1(536.07,580.07) 764,580.07 764,706 788,730 v1(948,730) ; v1(1306.07,580.07) v1(1561.07,580.07) 1604.5,623.5 1861.6,623.5 2032.63,623.5 v1(2076.07,580.07) v1(2331.07,580.07) 2381,630 ; v1(2326,772) v1(2326,742) 2381,687 2381,630 ; P6.1 P1.4 2860,630 2381,630
  other v1: 764,580
VCC5.0: C1.1 C2.1 C26.2 D9.2 F1.2 U2.16 VR1.3 | length 2029.3
  Top Layer w20: C1.1 C2.1 ; C2.1@550,1594.69 v1@627.73,1594.69 ; VR1.3@629.95,1673.61 D9.2@629.95,1799.5 ; D9.2 F1.2 ; v1@633.86,1600.27 v1@659.73,1600.27 ; v1@1786.16,1330.16 C26.2@1786.16,1427.84 ; v1@1786.5,1329.5 U2.16@1856.48,1329.5
  Top Layer w30: v1@630.55,1605.58 VR1.3@630.55,1672.21
  Bottom Layer w20: v1(633.59,1600.54) 633.59,1526.41 664,1496 1758,1496 1786,1468 v1(1786,1330) ; v1@633.86,1600.27 v1@659.73,1600.27
  other v1: 660,1600
pads on no net: J1.0 J1.4 M1.2 M1.4 M1.5 M1.6 M1.7 M1.9 M1.10 M1.11 M1.12 M1.13 M1.14 M1.17 M1.19 M1.20 U1.2 U1.10 U1.11 U1.14 U1.15 U1.29 U1.32 U1.33 U1.38 U2.4 U2.9 U2.10 U2.11 U2.12 U2.13 U2.14 U2.15

## Polygon pours and split planes (outlines as drawn)
GND on Bottom Layer "GND_L02_P000" (solid, remove dead copper, pour order 0): 0,50 0,2075 cw(c50,2075) 50,2125 3320,2125 cw(c3320,2075) 3370,2075 3370,50 cw(c3320,50) 3320,0 50,0 cw(c50,50)

## Keep-outs
Keep-Out Layer:
  circle w5: c180,180 r159.45
  circle w5: c180,1946 r159.45
  circle w5: c3190,1946 r159.45
  circle w5: c3192,180 r159.45
  lines w5: 3320,687.92 cw(c3320,637.92) 3370,637.92 3370,50 cw(c3320,50) 3320,0 50,0 cw(c50,50) 0,50 0,2075 cw(c50,2075) 50,2125 3320,2125 cw(c3320,2075) 3370,2075 3370,1762 cw(c3320,1762) 3320,1712 3176,1712 ccw(c3176,1662) 3126,1662 3126,738 ccw(c3176,738) 3176,688 3320,688

## Other copper
Bottom Layer:
  pour cut-out: 2353.95,1621.95 3126,1622.04 3126,778.07 2353.28,778.07 2318.01,813.35 2318.21,1586.21

## Silkscreen, mask and mechanical layers (free items; w line width, h text height)
Top Overlay:
  drawing of 919 lines, arcs and shapes, not listed
  text "1" at 1259,1957 h40
  text "2" at 1359,1957 h40
  text "3" at 1459,1957 h40
  text "4" at 1559,1957 h40
  text "5" at 1659,1957 h40
  text "6" at 1759,1957 h40
  text "7" at 1859,1957 h40
  text "8" at 1959,1957 h40
  text "智能物联网系统" at 2092.56,1911.32 h120
  text "GND" at 1054,1881 h32
  text "IOT模块测试评估板 v2.0" at 2096,1815.43 h80
  text "+5V" at 1054,1792 h32
  text "NET.T/R" at 2004,1434 h30
  text "UART2.R/T" at 1972,1162 h30
  text "NET.T/R" at 2002,1110 h30
  text "RX" at 1924,924 h30
  text "TX" at 2216,924 h30
  text "UART1.T/R" at 1976,742 h30
  text "模块机器码标签粘贴处" at 239.6,666.04 h80 r90
  text "IO" at 2606,456 h32
  text "CLK" at 2686,456 h32
  text "GND" at 2786,456 h32
  text "3.3" at 2891,456 h32
  text "Design By" at 2576,203.92 h70
  text "通道1" at 529.16,144.64 h70
  text "通道2" at 785.59,144.64 h70
  text "通道3" at 1042.01,144.64 h70
  text "通道4" at 1298.44,144.64 h70
  text "通道5" at 1554.87,144.64 h70
  text "通道6" at 1811.3,144.64 h70
  text "通道7" at 2067.73,144.64 h70
  text "通道8" at 2324.16,144.64 h70
  text "猫咪也有理想" at 2576,125.92 h70
Top Solder:
  circle w5: c3190.08,180 r120
  circle w5: c3190,1945.2 r120
  circle w5: c180,1945.2 r120
  circle w5: c180,180 r120
  region: 3070.08,180 ccw(c3190.08,180) 3190.08,60 ccw(c3190.08,180) 3310.08,180 ccw(c3190.08,180) 3190.08,300 ccw(c3190.08,180)
  region: 3070,1945.2 ccw(c3190,1945.2) 3190,1825.2 ccw(c3190,1945.2) 3310,1945.2 ccw(c3190,1945.2) 3190,2065.2 ccw(c3190,1945.2)
  region: 180,1825.2 cw(c180,1945.2) 60,1945.2 cw(c180,1945.2) 180,2065.2 cw(c180,1945.2) 300,1945.2 cw(c180,1945.2)
  region: 60,180 ccw(c180,180) 180,60 ccw(c180,180) 300,180 ccw(c180,180) 180,300 ccw(c180,180)
Bottom Solder:
  circle w5: c3190.08,180 r120
  circle w5: c3190,1945.2 r120
  circle w5: c180,1945.2 r120
  circle w5: c180,180 r120
  region: 3070.08,180 ccw(c3190.08,180) 3190.08,60 ccw(c3190.08,180) 3310.08,180 ccw(c3190.08,180) 3190.08,300 ccw(c3190.08,180)
  region: 3070,1945.2 ccw(c3190,1945.2) 3190,1825.2 ccw(c3190,1945.2) 3310,1945.2 ccw(c3190,1945.2) 3190,2065.2 ccw(c3190,1945.2)
  region: 180,1825.2 cw(c180,1945.2) 60,1945.2 cw(c180,1945.2) 180,2065.2 cw(c180,1945.2) 300,1945.2 cw(c180,1945.2)
  region: 60,180 ccw(c180,180) 180,60 ccw(c180,180) 300,180 ccw(c180,180) 180,300 ccw(c180,180)
Mechanical 1:
  circle w5: c3190.08,179.8 r65
  circle w5: c3190.2,1945.2 r65
  circle w5: c180,1945.2 r65
  circle w5: c179.8,180 r65
  lines w5: 3320,687.92 cw(c3320,637.92) 3370,637.92 ; 3320,688 3176,688 cw(c3176,738) 3126,738 3126,1662 cw(c3176,1662) 3176,1712 3320,1712 ccw(c3320,1762) 3370,1762 3370,2075 ccw(c3320,2075) 3320,2125 50,2125 ccw(c50,2075) 0,2075 0,50 ccw(c50,50) 50,0 3320,0 ccw(c3320,50) 3370,50 ; 3370.08,50.08 3370.08,638.02

## Dimensions
50,2125 to 50,0 on Top Overlay